# Altium PCB ЕРКФ.758725.093Д11_МОСК.PcbDoc (part 1 of 3)
Units mm, origin at the board's own origin, x right, y up, seen from the top; angles counter-clockwise.
Board outline 119 x 103.3 mm, 2 copper layers (Top, Bottom), stack 1.571 mm thick; 306 components, 217 nets, 981 pads, 395 vias.
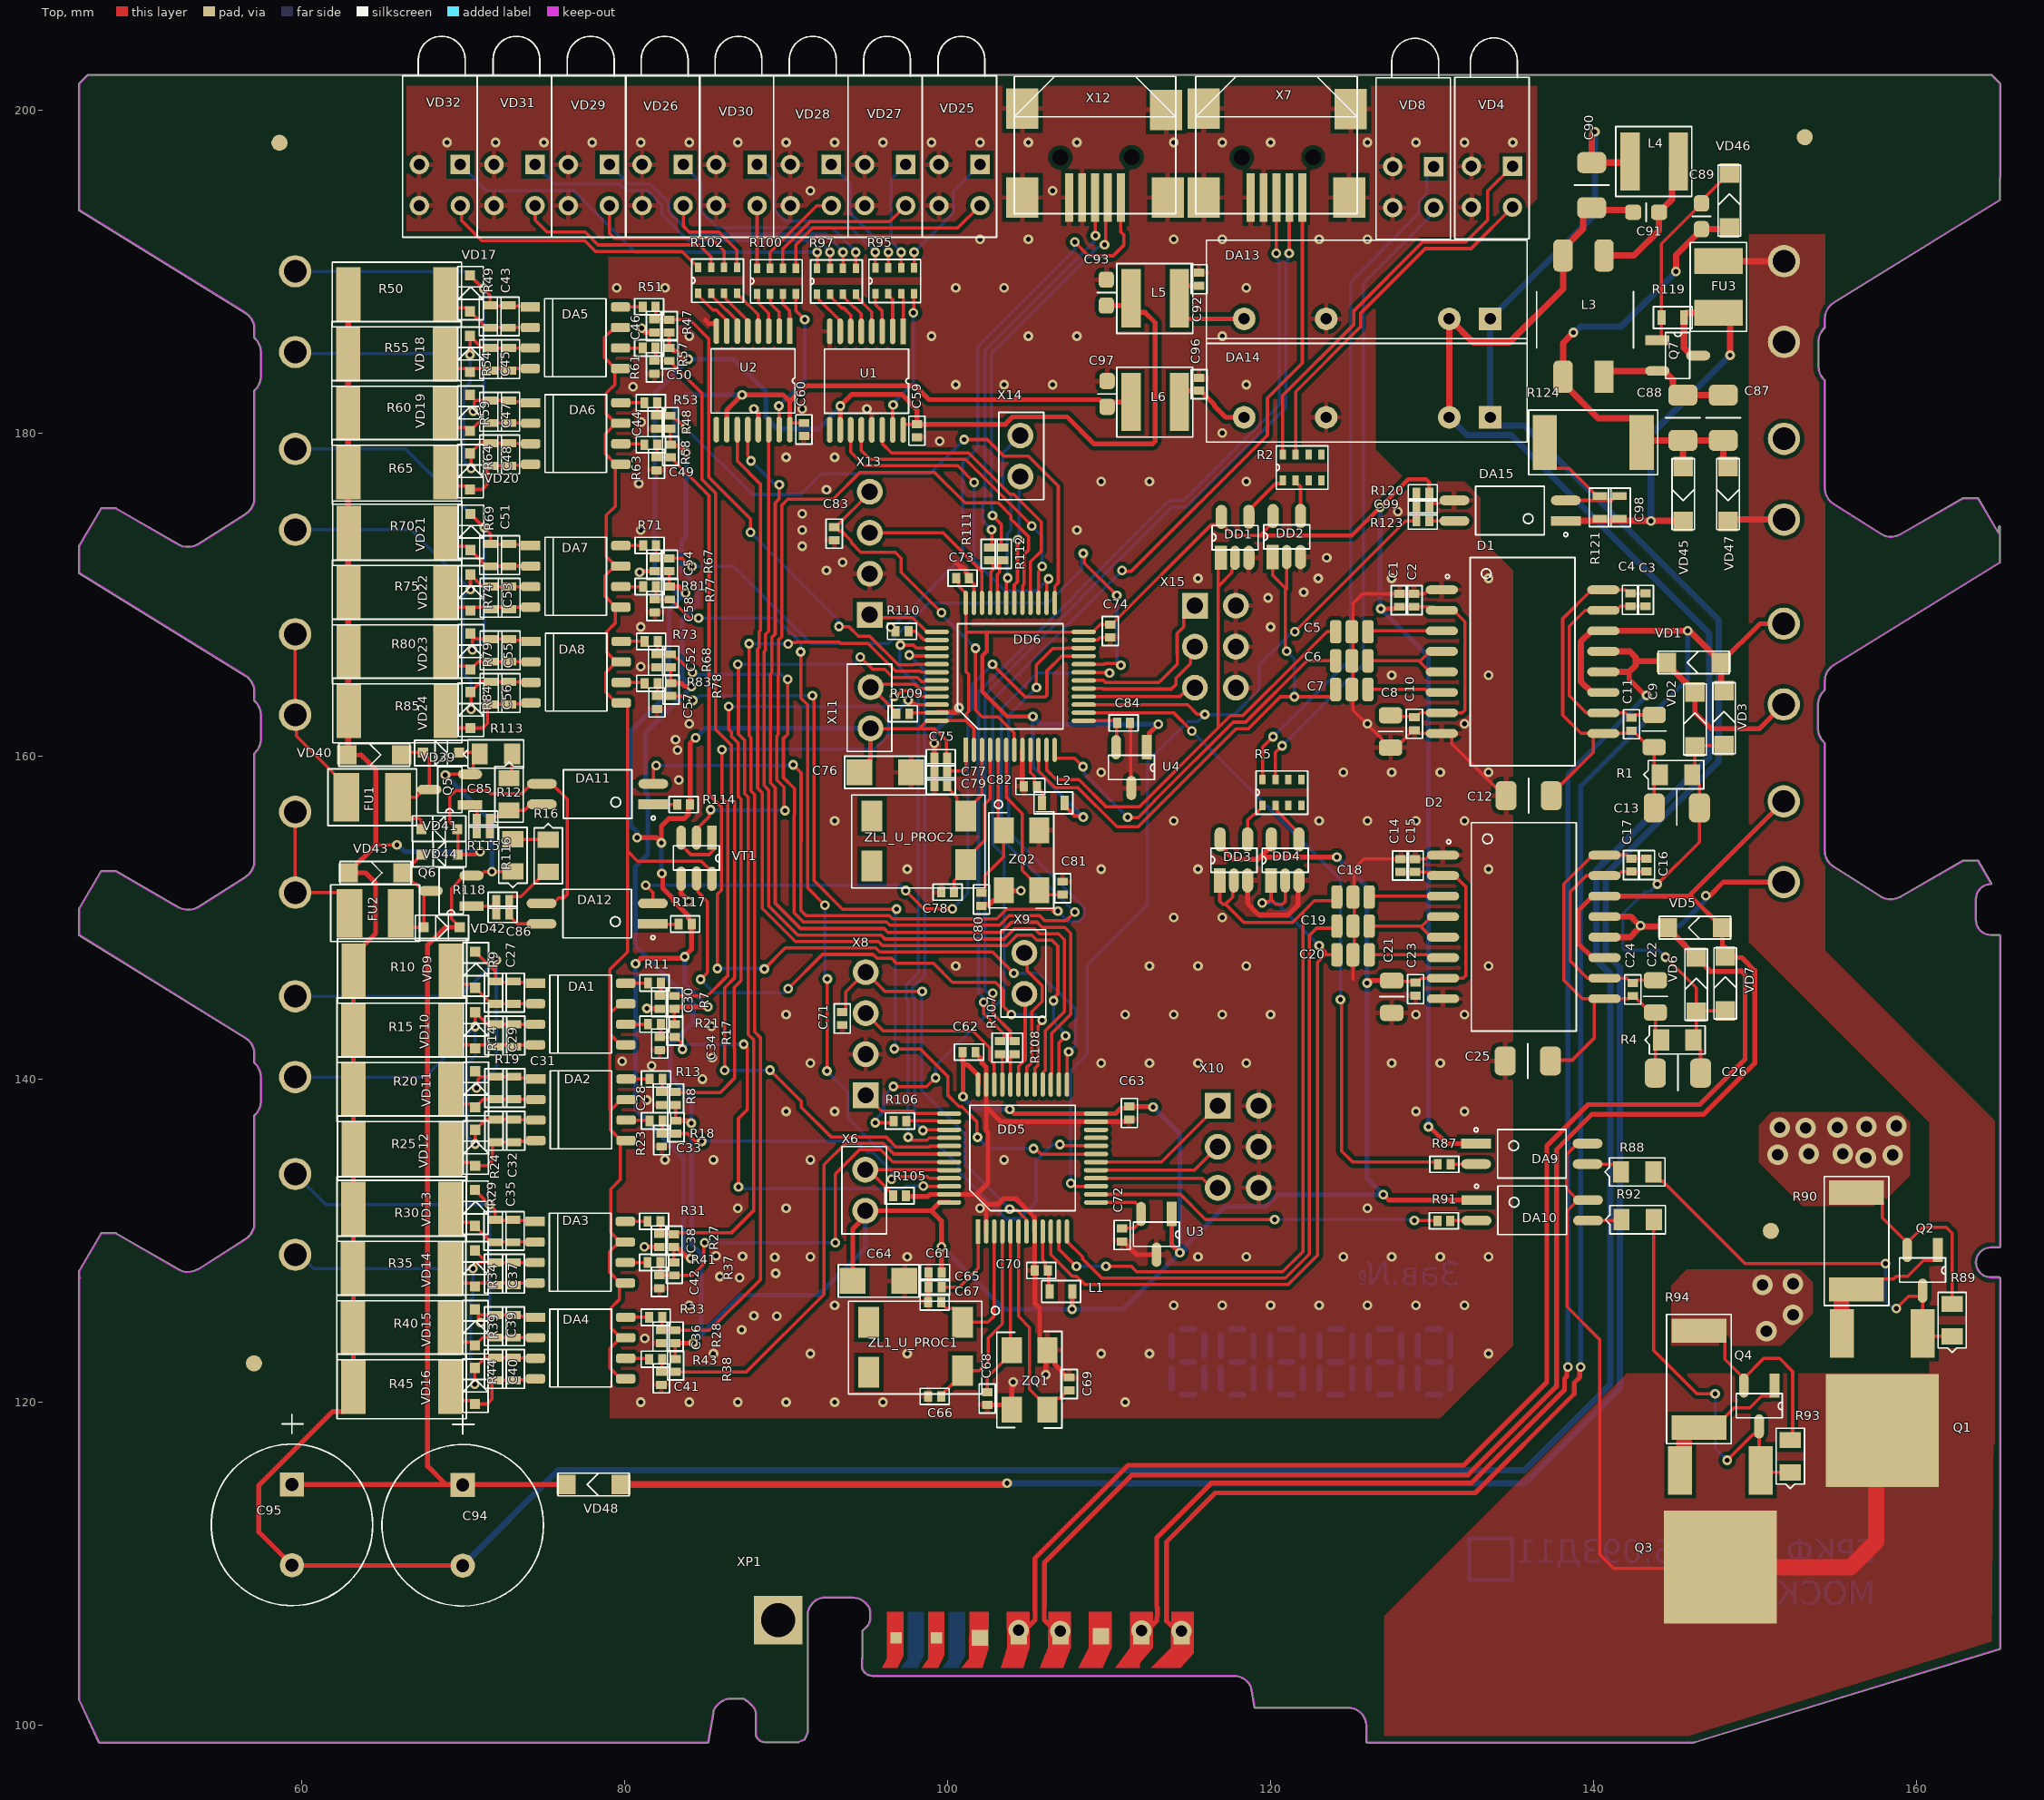
[diagram p0: Top view]
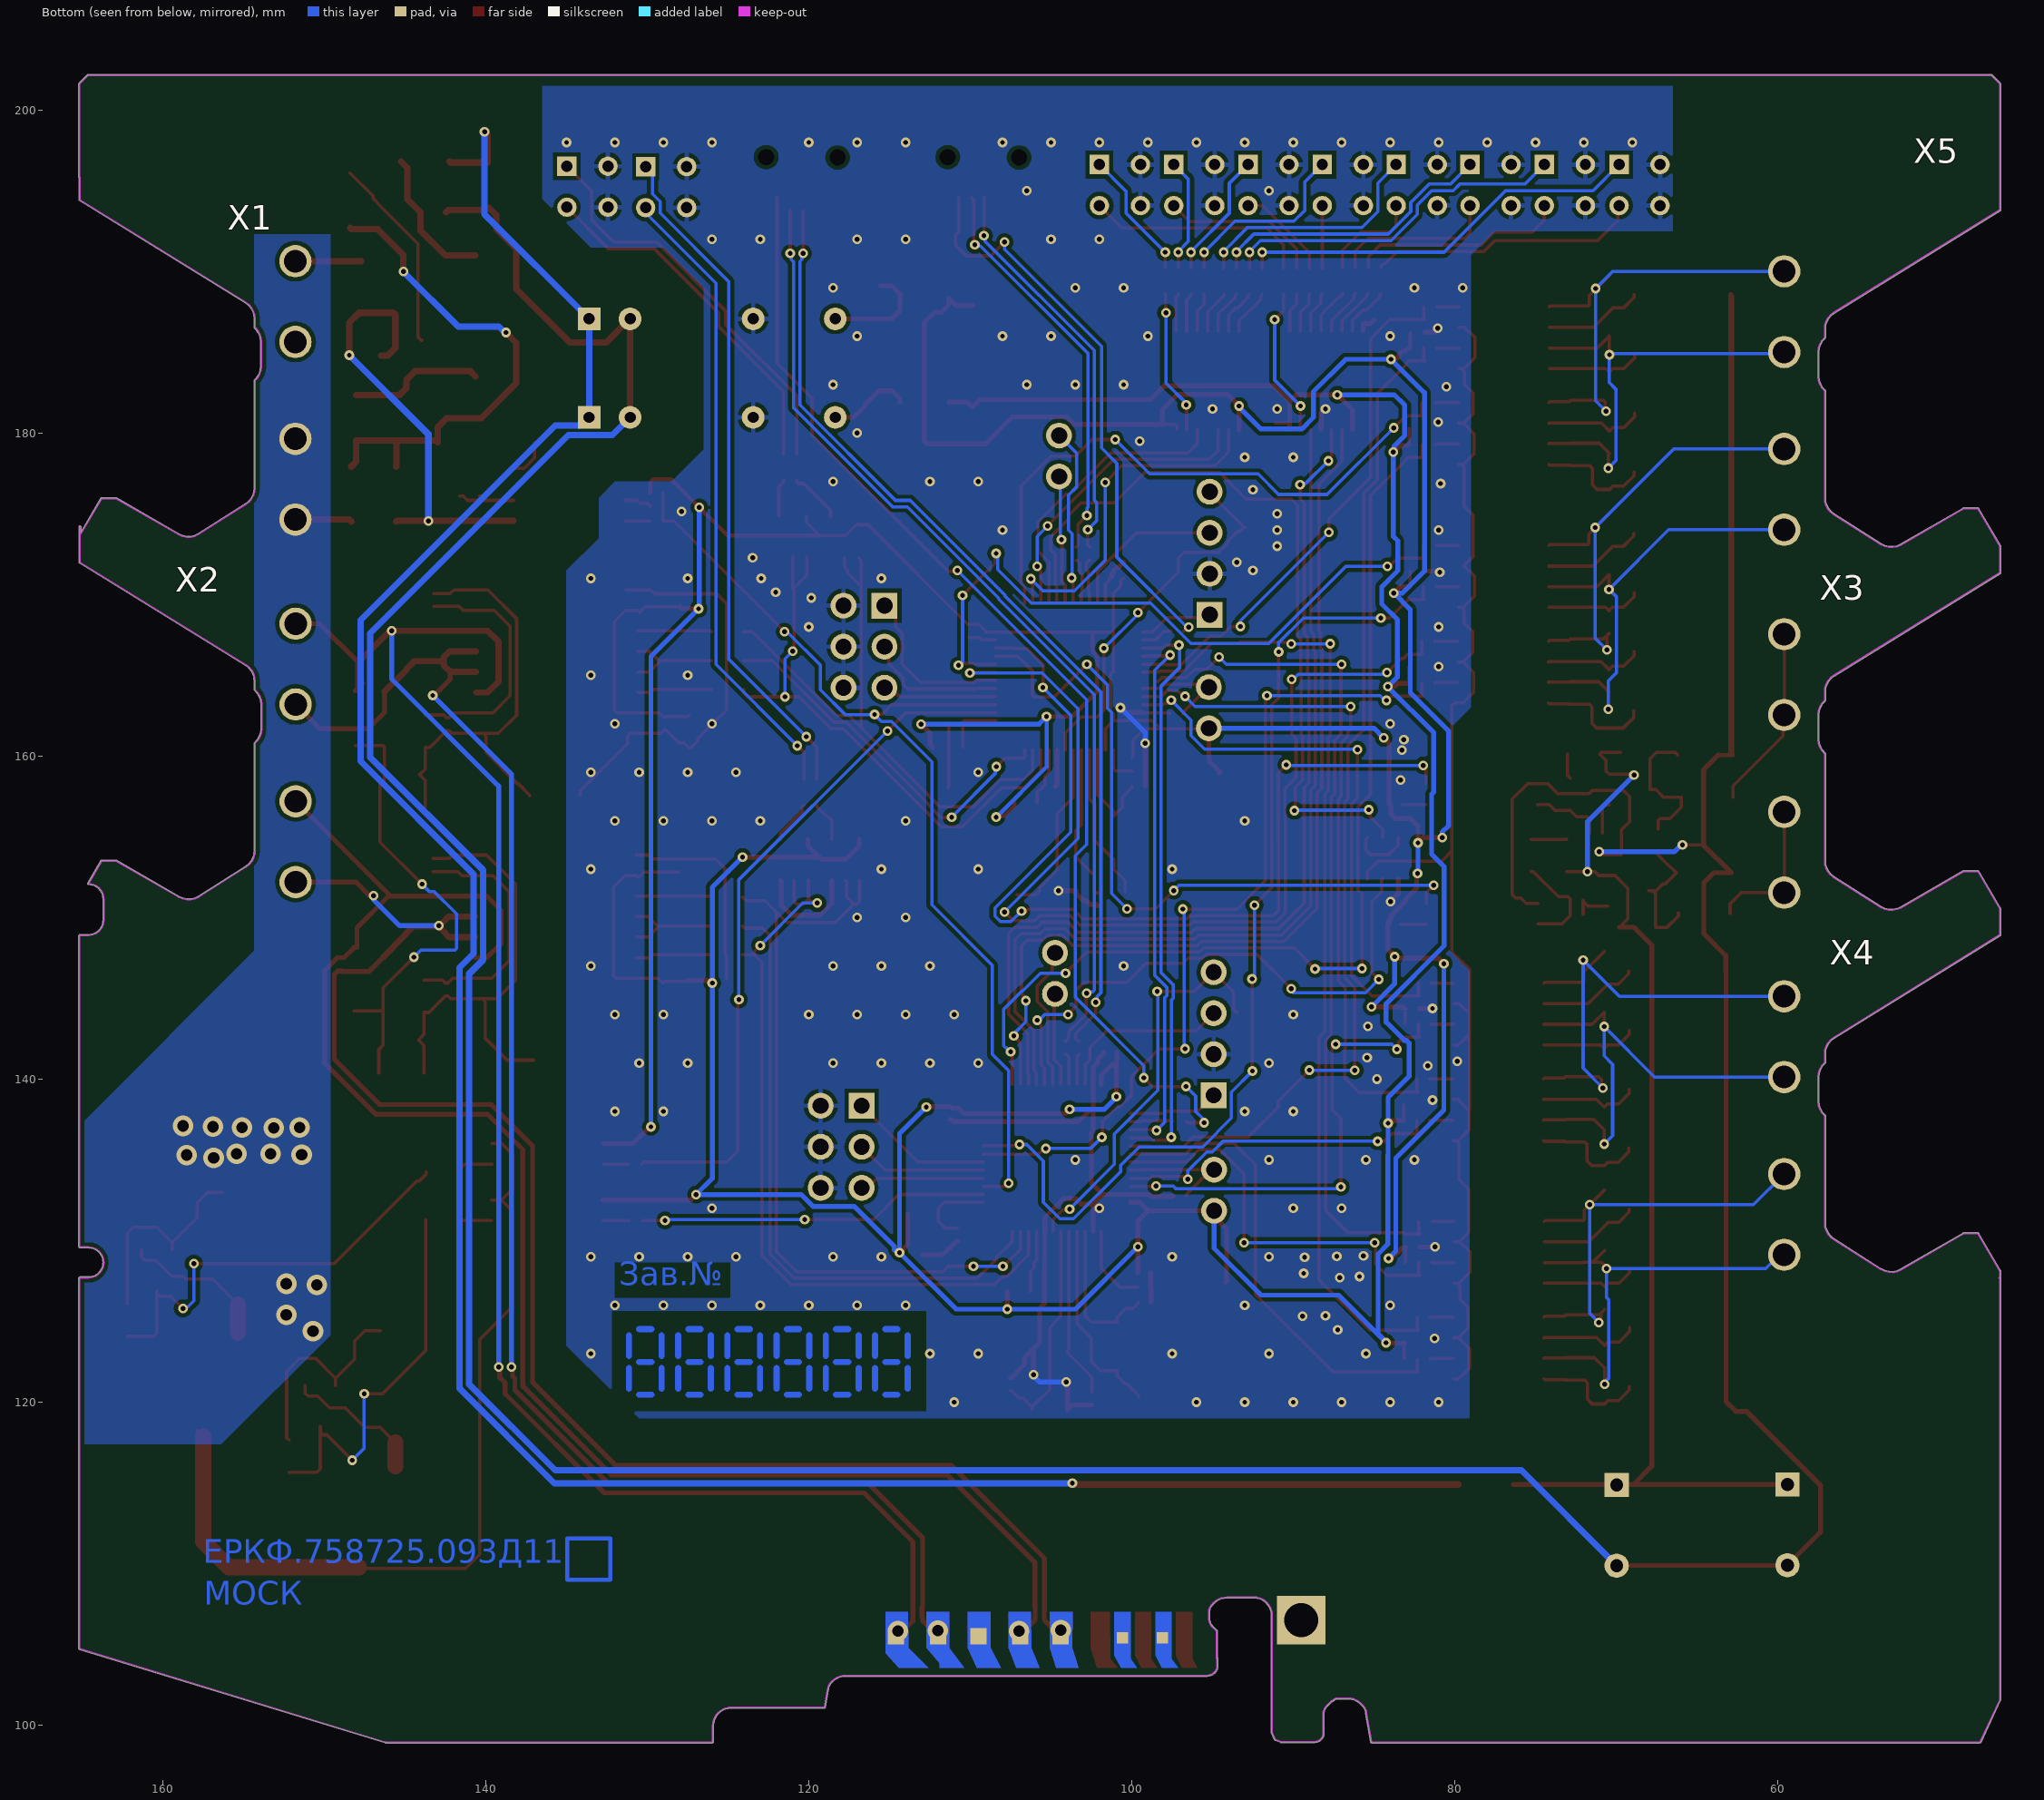
[diagram p1: Bottom view, seen from below]
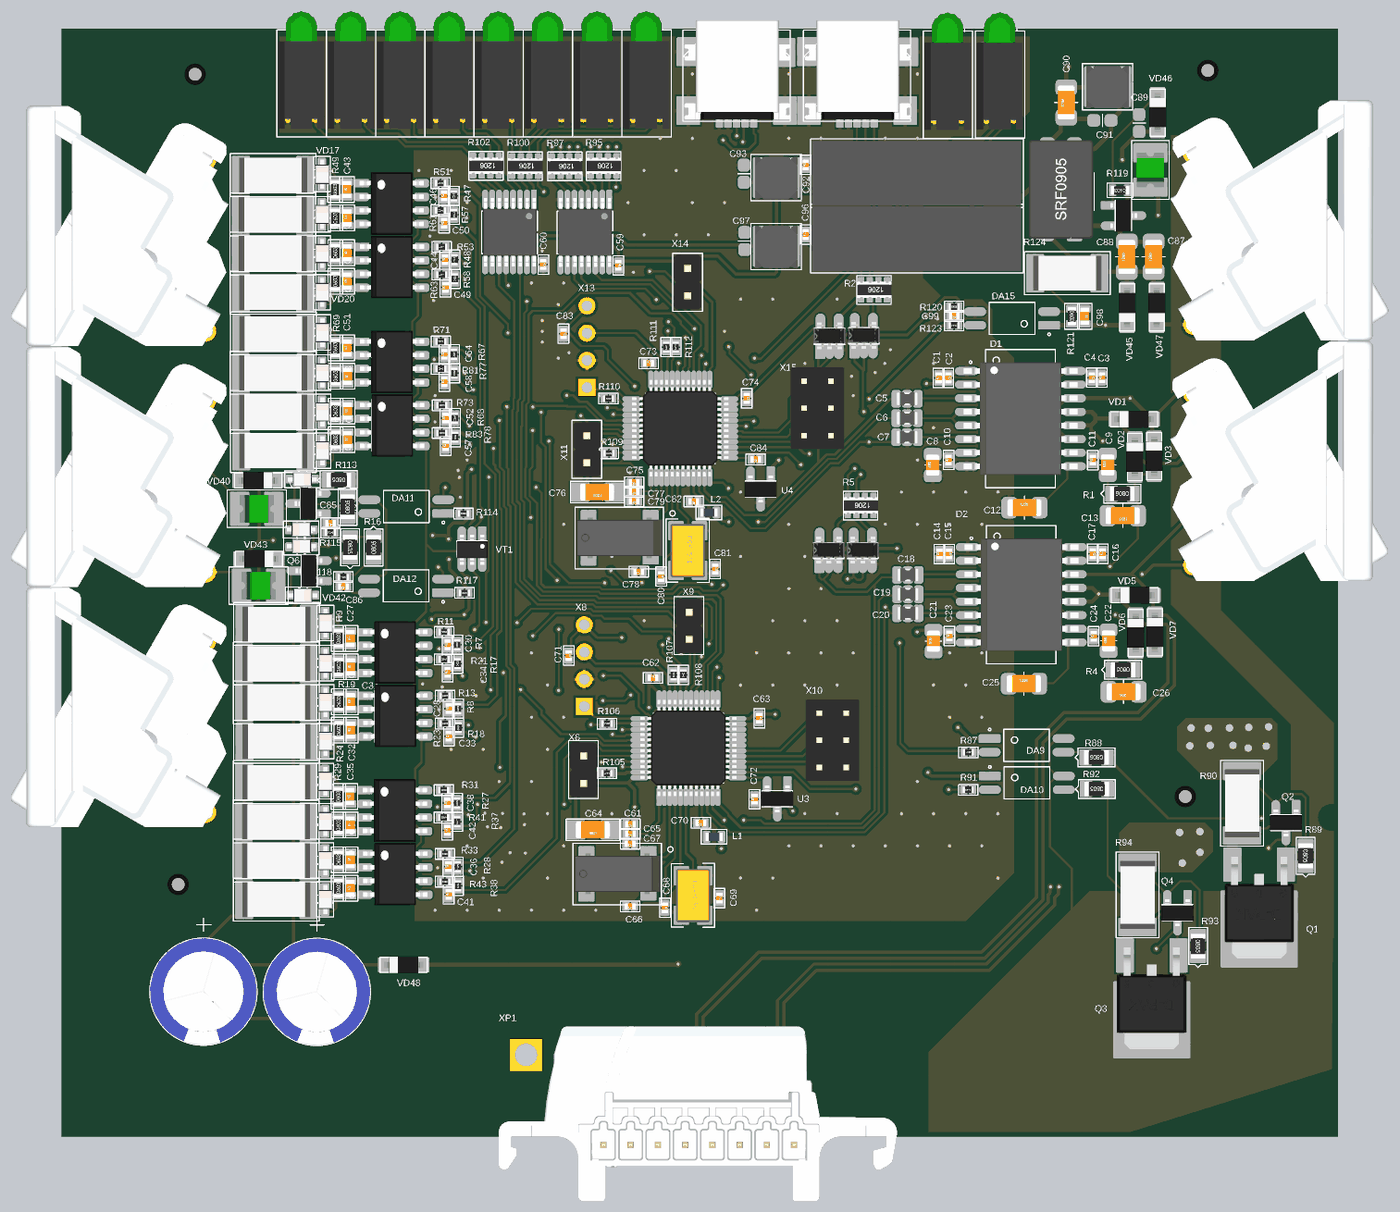
[diagram p4: 3D render of the assembled board from above, using the file's embedded part models]
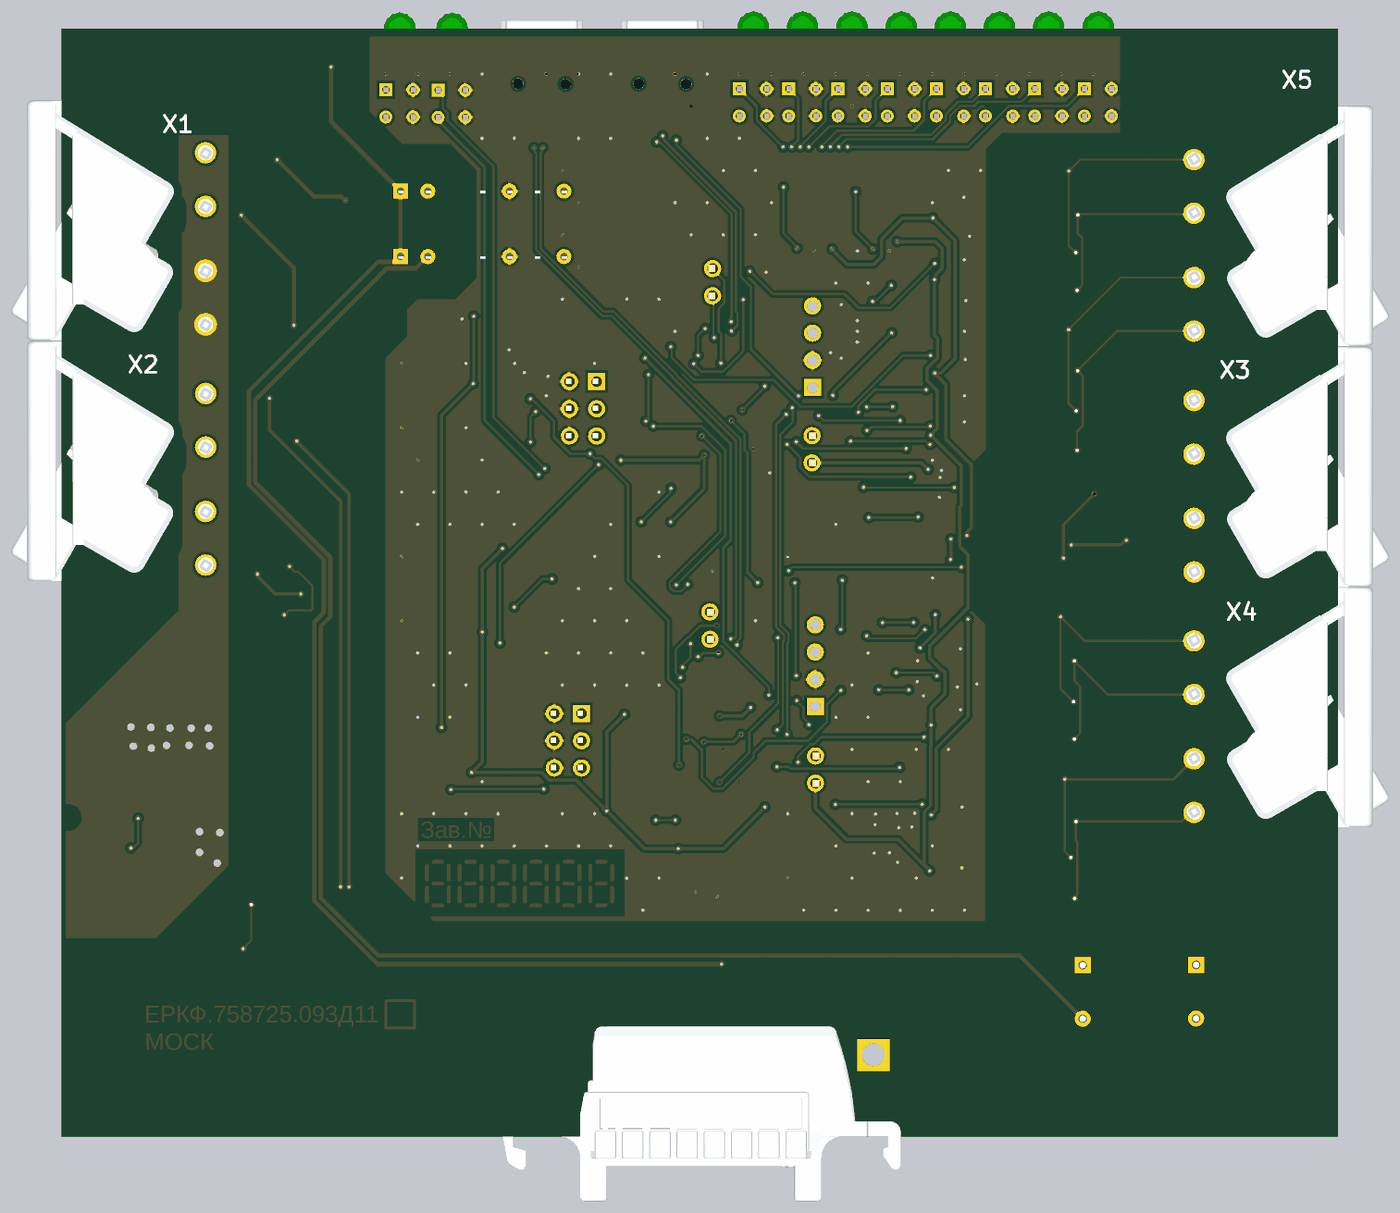
[diagram p5: 3D render of the assembled board from below, using the file's embedded part models]

## Layer stack, top to bottom
Top Solder: solder mask 0.0102, Solder Resist, Dk 3.5
Top: signal copper 0.0356
Dielectric1: dielectric 1.5, FR-4, Dk 4.8
Bottom: signal copper 0.0356
Bottom Solder: solder mask 0.0102, Solder Resist, Dk 3.5

## Board outline
453 vertices, not listed, extent 46.199,98.899 165.201,202.201

## Design rules (kind name [scope] priority, off if disabled: settings)
BoardOutlineClearance [All] p1: gap=0.254 ignorepadtopadclearanceinfootprint=FALSE except(0: Arc-SplitContinuation Track-SplitContinuation SMDPad-SplitContinuation THPad-SplitContinuation Via-SplitContinuation Fill-SplitContinuation Poly-SplitContinuation Region-SplitContinuation Text-SplitContinuation)
Clearance Clearance_Poligon [InPolygon] p1: gap=0.25 ignorepadtopadclearanceinfootprint=FALSE
Clearance Clearance_All [All] p2: gap=0.2 ignorepadtopadclearanceinfootprint=FALSE
ComponentClearance [All] p1: gap=0 collisioncheckmode=3 verticalgap=0 showdistances=TRUE
DiffPairsRouting DiffPairsRouting_1 [InDifferentialPair('485_1')] p1: maxlimit=3 minlimit=0.254 mostfreqgap=0.3 toplayer_minwidth=0.2 toplayer_maxwidth=0.381 toplayer_prefwidth=0.3 bottomlayer_minwidth=0.2 bottomlayer_maxwidth=0.381 bottomlayer_prefwidth=0.3 maxuncoupledlength=12.7
DiffPairsRouting DiffPairsRouting_2 [InDifferentialPair('485_2')] p2: maxlimit=3 minlimit=0.254 mostfreqgap=0.3 toplayer_minwidth=0.2 toplayer_maxwidth=0.381 toplayer_prefwidth=0.3 bottomlayer_minwidth=0.2 bottomlayer_maxwidth=0.381 bottomlayer_prefwidth=0.3 maxuncoupledlength=12.7
DiffPairsRouting [All] p3: maxlimit=0.254 minlimit=0.2 mostfreqgap=0.2 toplayer_minwidth=0.2 toplayer_maxwidth=0.381 toplayer_prefwidth=0.2 bottomlayer_minwidth=0.2 bottomlayer_maxwidth=0.381 bottomlayer_prefwidth=0.2 maxuncoupledlength=12.7
FabricationTestPointUsage [All] p1: valid=2 allowmultiple=FALSE
PasteMaskExpansion [All] p1: expansion=0.1
PlaneConnect [All] p1: planeconnectstyle=Relief reliefexpansion=0.508 reliefentries=4 reliefconductorwidth=0.25 reliefairgap=0.25
PolygonConnect [InNet('in24+')] p1: connectstyle=Direct reliefconductorwidth=0.254 reliefentries=4 polygonreliefangle="90 Angle" airgapwidth=0.254
PolygonConnect PolygonConnect_1 [InNet('in24-')] p2: connectstyle=Direct reliefconductorwidth=0.254 reliefentries=4 polygonreliefangle="90 Angle" airgapwidth=0.254
PolygonConnect PolygonConnect_pad_EARTH [(ObjectKind = 'Pad') And (Net = 'EARTH')] p3: connectstyle=Direct reliefconductorwidth=0.254 reliefentries=4 polygonreliefangle="90 Angle" airgapwidth=0.254
PolygonConnect PolygonConnect_Via [All vs IsVia] p4: connectstyle=Direct reliefconductorwidth=0.254 reliefentries=4 polygonreliefangle="90 Angle" airgapwidth=0.254
PolygonConnect PolygonConnect_Pad [All] p5: connectstyle=Relief reliefconductorwidth=0.3 reliefentries=4 polygonreliefangle="90 Angle" airgapwidth=0.25
RoutingTopology [All] p1: topology=Daisy_Balanced
RoutingVias [All] p1: holewidth=0.3 width=0.6 viastyle="Through Hole" minholewidth=0.3 minwidth=0.6 maxholewidth=0.6 maxwidth=1.2
SolderMaskExpansion [All] p1: expansion=0.05 istentingtop=FALSE
Width Width_1 [InNetClass('Hcur')] p1: maxlimit=3 minlimit=0.2 preferedwidth=0.4
Width Width_5 [InNet('24+')] p2: maxlimit=3 minlimit=0.2 preferedwidth=0.3
Width Width_4 [InNet('GND')] p3: maxlimit=3 minlimit=0.2 preferedwidth=0.3
Width Width_3 [InNet('3v_1')] p4: maxlimit=3 minlimit=0.2 preferedwidth=0.3
Width Width_2 [InNet('3v_2')] p5: maxlimit=3 minlimit=0.2 preferedwidth=0.3
Width [All] p6: maxlimit=3 minlimit=0.2 preferedwidth=0.2
24 further rules are at their usual default settings.

## Classes and differential pairs
net class 2out2_[1..4]: 2out2_1 2out2_2 2out2_3 2out2_4
net class 2out1_[1..4]: 2out1_1 2out1_2 2out1_3 2out1_4
net class 1out2_[1..4]: 1out2_1 1out2_2 1out2_3 1out2_4
net class 1out1_[1..4]: 1out1_1 1out1_2 1out1_3 1out1_4
net class Hcur: 24+ 24- in24+ in24- NetC87_1 NetC87_2 NetC90_2 NetC91_2 NetC92_1 NetC96_1 NetC98_2
net class _in[1..8]: 2out1_1 2out1_2 2out1_3 2out1_4 2out2_1 2out2_2 2out2_3 2out2_4
channel class PROC: U_PROC1 U_PROC2
channel class heat: U_heat2
channel class DI_ch: DI_ch1 DI_ch2 DI_ch3 DI_ch4
channel class 485: U_485_1 U_485_2
net class power: 3v_1 3v_2 GND NetC3_1 NetC3_2 NetC16_1 NetC16_2
net class in[1..8]: 1out1_1 1out1_2 1out1_3 1out1_4 1out2_1 1out2_2 1out2_3 1out2_4
net class in2_[1..4]: in2_1 in2_2 in2_3 in2_4
net class in1_[1..4]: in1_1 in1_2 in1_3 in1_4
net class 485: 485_1_N 485_1_P 485_2_N 485_2_P
component class U_suply_1w: C87 C88 C89 C90 C91 C92 C93 C94 C95 C96 C97 C98 C99 DA13 DA14 DA15 FU3 L3 L4 L5 L6 Q7 R119 R120 R121 R123 R124 VD45 VD46 VD47 VD48
component class U_PWM_OUT: C85 C86 DA11 DA12 FU1 FU2 Q5 Q6 R12 R16 R113 R114 R115 R116 R117 R118 VD39 VD40 VD41 VD42 VD43 VD44
component class U_PROC2: C73 C74 C75 C76 C77 C78 C79 C80 C81 C82 C83 C84 DD6 L2 R109 R110 R111 R112 U4 X11 X12 X13 X14 X15 ZL1_U_PROC2 ZQ2
component class U_PROC1: C61 C62 C63 C64 C65 C66 C67 C68 C69 C70 C71 C72 DD5 L1 R105 R106 R107 R108 U3 X6 X7 X8 X9 X10 ZL1_U_PROC1 ZQ1
component class U_indication: C59 C60 R95 R97 R100 R102 U1 U2 VD25 VD26 VD27 VD28 VD29 VD30 VD31 VD32
component class U_heat1: DA10 Q3 Q4 R91 R92 R93 R94
component class U_heat2: DA9 Q1 Q2 R87 R88 R89 R90
component class U_485_2: C14 C15 C16 C17 C18 C19 C20 C21 C22 C23 C24 C25 C26 D2 DD3 DD4 R4 R5 VD5 VD6 VD7 VD8
component class U_485_1: C1 C2 C3 C4 C5 C6 C7 C8 C9 C10 C11 C12 C13 D1 DD1 DD2 R1 R2 VD1 VD2 VD3 VD4
component class Main: VT1 X1 X2 X3 X4 X5 XP1
component class DI_ch4: C51 C52 C53 C54 C55 C56 C57 C58 DA7 DA8 R67 R68 R69 R70 R71 R73 R74 R75 R77 R78 R79 R80 R81 R83 R84 R85 VD21 VD22 VD23 VD24
component class DI_ch3: C43 C44 C45 C46 C47 C48 C49 C50 DA5 DA6 R47 R48 R49 R50 R51 R53 R54 R55 R57 R58 R59 R60 R61 R63 R64 R65 VD17 VD18 VD19 VD20
component class DI_ch2: C35 C36 C37 C38 C39 C40 C41 C42 DA3 DA4 R27 R28 R29 R30 R31 R33 R34 R35 R37 R38 R39 R40 R41 R43 R44 R45 VD13 VD14 VD15 VD16
component class DI_ch1: C27 C28 C29 C30 C31 C32 C33 C34 DA1 DA2 R7 R8 R9 R10 R11 R13 R14 R15 R17 R18 R19 R20 R21 R23 R24 R25 VD9 VD10 VD11 VD12
differential pair Du_U_PROC2: +Du_U_PROC2_P -Du_U_PROC2_N
differential pair Du_U_PROC1: +Du_U_PROC1_P -Du_U_PROC1_N
differential pair D_U_PROC2: +D_U_PROC2_P -D_U_PROC2_N
differential pair D_U_PROC1: +D_U_PROC1_P -D_U_PROC1_N
differential pair 485_2: +485_2_P -485_2_N
differential pair 485_1: +485_1_P -485_1_N

## Components (designator, comment, footprint, x,y, rotation, side; value= is the part's Value field where it differs from the comment)
C1 "0.1u" cap_0402 127.975,169.65 r90 top (schematic designator C38)
C2 "0.01u" cap_0402 128.875,169.65 r270 top (schematic designator C39)
C3 "0.1u" cap_0402 143.2,169.675 r90 top (schematic designator C40)
C4 "0.01u" cap_0402 142.275,169.675 r270 top (schematic designator C41)
C5 "NFM21CC102R1H3" NFM21C 124.024,167.7 r0 top (schematic designator C42)
C6 "NFM21CC102R1H3" NFM21C 124.024,165.9 r0 top (schematic designator C43)
C7 "NFM21CC102R1H3" NFM21C 124.024,164.125 r0 top (schematic designator C44)
C8 "Capacitor ceramic" C0805_ 127.425,161.525 r90 top value=10u (schematic designator C45)
C9 "Capacitor ceramic" C0805_ 143.75,161.55 r90 top value=10u (schematic designator C46)
C10 "0.1u" cap_0402 128.9,162 r90 top (schematic designator C47)
C11 "0.1u" cap_0402 142.35,161.975 r90 top (schematic designator C48)
C12 "Capacitor ceramic" C1206_ 135.975,157.55 r0 top value=220p (schematic designator C49)
C13 "Capacitor ceramic" C1206_ 145.15,156.8 r180 top value=1000p (schematic designator C50)
C14 "0.1u" cap_0402 128.05,153.224 r90 top (schematic designator C38)
C15 "0.01u" cap_0402 128.95,153.224 r270 top (schematic designator C39)
C16 "0.1u" cap_0402 143.275,153.249 r90 top (schematic designator C40)
C17 "0.01u" cap_0402 142.35,153.249 r270 top (schematic designator C41)
C18 "NFM21CC102R1H3" NFM21C 124.099,151.274 r0 top (schematic designator C42)
C19 "NFM21CC102R1H3" NFM21C 124.099,149.474 r0 top (schematic designator C43)
C20 "NFM21CC102R1H3" NFM21C 124.099,147.699 r0 top (schematic designator C44)
C21 "Capacitor ceramic" C0805_ 127.5,145.099 r90 top value=10u (schematic designator C45)
C22 "Capacitor ceramic" C0805_ 143.825,145.124 r90 top value=10u (schematic designator C46)
C23 "0.1u" cap_0402 128.975,145.574 r90 top (schematic designator C47)
C24 "0.1u" cap_0402 142.425,145.549 r90 top (schematic designator C48)
C25 "Capacitor ceramic" C1206_ 135.925,141.125 r0 top value=220p (schematic designator C49)
C26 "Capacitor ceramic" C1206_ 145.225,140.375 r180 top value=1000p (schematic designator C50)
C27 "0.1u" 0603_cap 73.124,145.349 r90 top (schematic designator C1)
C28 "0.1u" cap_0402 82.274,138.804 r90 top (schematic designator C2)
C29 "0.1u" 0603_cap 73.149,142.704 r90 top (schematic designator C3)
C30 "0.1u" cap_0402 82.174,144.754 r90 top (schematic designator C4)
C31 "0.1u" 0603_cap 73.149,139.449 r90 top (schematic designator C5)
C32 "0.1u" 0603_cap 73.149,136.799 r90 top (schematic designator C6)
C33 "0.1u" cap_0402 82.299,136.224 r90 top (schematic designator C7)
C34 "0.1u" cap_0402 82.174,142.199 r90 top (schematic designator C8)
C35 "0.1u" 0603_cap 73.099,130.599 r90 top (schematic designator C1)
C36 "0.1u" cap_0402 82.249,124.054 r90 top (schematic designator C2)
C37 "0.1u" 0603_cap 73.124,127.954 r90 top (schematic designator C3)
C38 "0.1u" cap_0402 82.149,130.004 r90 top (schematic designator C4)
C39 "0.1u" 0603_cap 73.124,124.699 r90 top (schematic designator C5)
C40 "0.1u" 0603_cap 73.124,122.049 r90 top (schematic designator C6)
C41 "0.1u" cap_0402 82.274,121.474 r90 top (schematic designator C7)
C42 "0.1u" cap_0402 82.149,127.449 r90 top (schematic designator C8)
C43 "0.1u" 0603_cap 72.799,187.224 r90 top (schematic designator C1)
C44 "0.1u" cap_0402 81.949,180.679 r90 top (schematic designator C2)